# Altium PCB nRF52840-kit.PcbDoc (part 3 of 5) (continued)
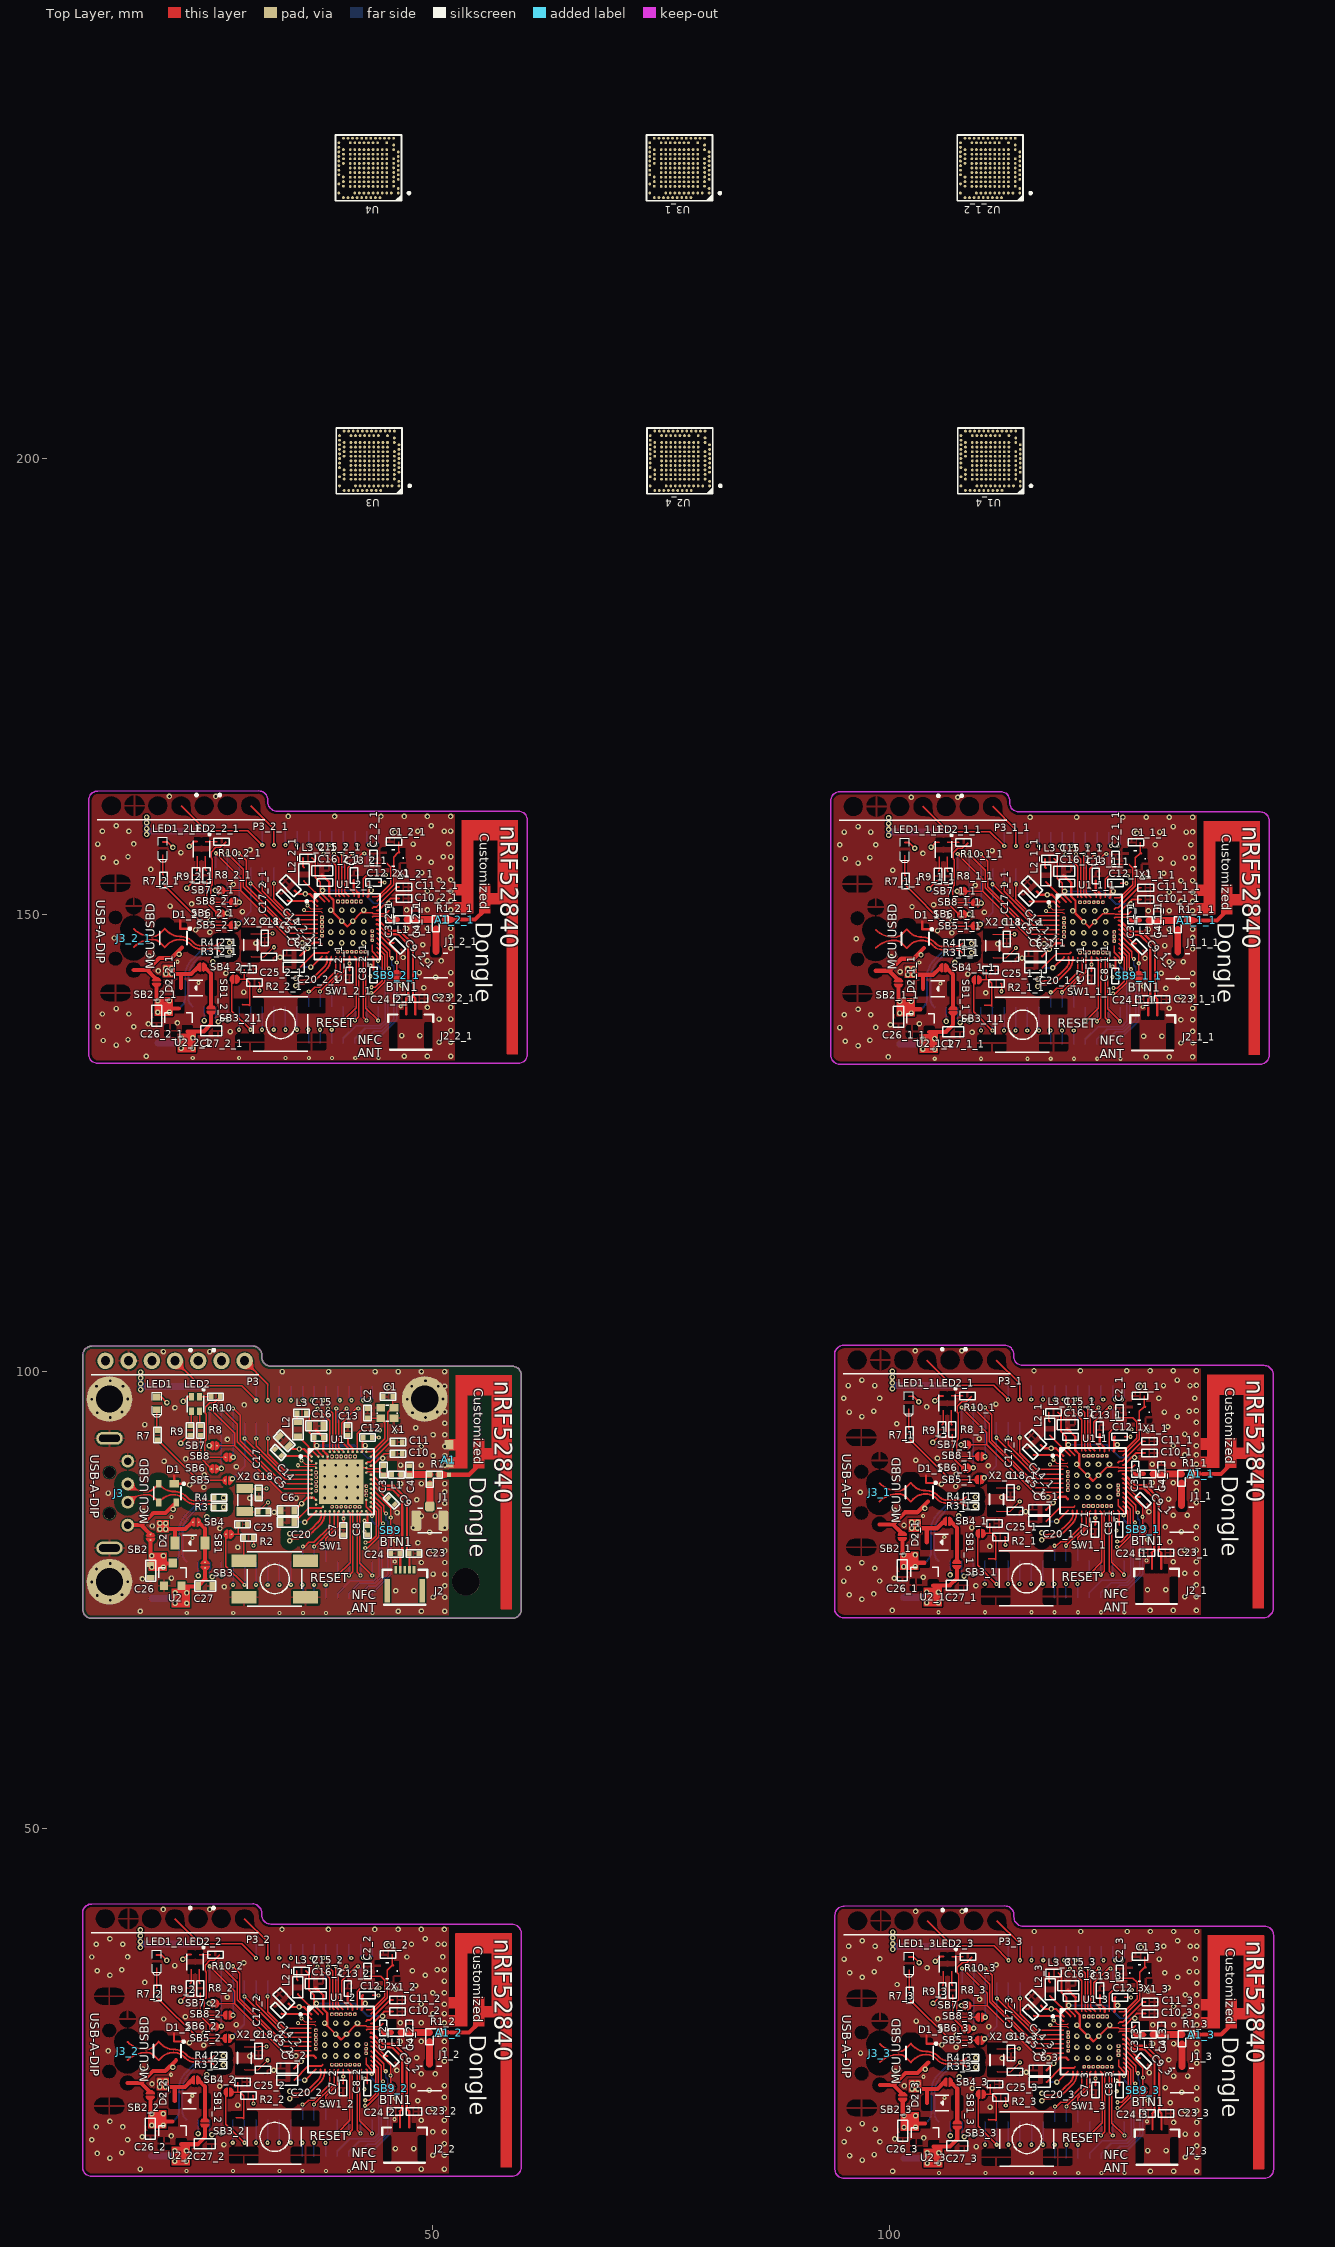
[diagram p0: Top Layer view]
## Nets (pads, with @x,y where several pads share a name; then routed paths per layer and width w, separated by ;. In a path a pad name is that pad's centre, name@x,y a point inside that pad or via, vN(x,y) a via of type N, cw(c..) or ccw(c..) an arc to the next point about the centre after c; other vN are vias at no path point) (continued)
  Top Layer w0.254: 21.668,27.563 21.668,26.702 22.585,26.702 ; 22.343,149.363 22.343,148.502 23.26,148.502 ; 34.217,30.853 34.576,30.494 35.872,30.494 36.69,29.676 ; 34.818,23.763 36.231,25.176 36.69,25.176 36.94,25.176 37.19,24.926 ; 34.892,152.653 35.251,152.294 36.547,152.294 37.365,151.476 ; 35.493,145.563 36.906,146.976 37.365,146.976 37.615,146.976 37.865,146.726 ; 37.134,32.627 37.997,31.764 37.98,31.747 37.98,30.297 38.44,29.836 38.44,29.676 38.44,28.426 39.94,26.926 ; 37.809,154.427 38.672,153.564 38.655,153.547 38.655,152.097 39.115,151.636 39.115,151.476 39.115,150.226 40.615,148.726 ; 40.672,32.026 40.672,31.078 41.19,30.56 41.19,30.176 ; 41.347,153.826 41.347,152.878 41.865,152.36 41.865,151.976 ; 42.19,30.176 42.273,30.259 42.273,31.706 42.331,31.764 ; 42.865,151.976 42.948,152.059 42.948,153.506 43.006,153.564 ; 43.19,27.176 43.287,27.176 44.375,26.088 45.518,26.088 46.633,24.973 46.633,19.326 46.371,19.064 46.4,19.035 46.4,17.3 ; 43.19,27.676 43.326,27.676 44.533,26.469 45.676,26.469 47.141,25.004 47.141,19.326 47.403,19.064 47.403,17.303 47.4,17.3 ; 43.865,148.976 43.962,148.976 45.05,147.888 46.193,147.888 47.308,146.773 47.308,141.126 47.046,140.864 47.075,140.835 47.075,139.1 ; 43.865,149.476 44.001,149.476 45.208,148.269 46.351,148.269 47.816,146.804 47.816,141.126 48.078,140.864 48.078,139.103 48.075,139.1 ; 103.54,149.277 103.54,148.416 104.457,148.416 ; 103.965,88.702 103.965,87.841 104.882,87.841 ; 104.003,27.338 104.003,26.477 104.92,26.477 ; 116.089,152.567 116.448,152.208 117.744,152.208 118.562,151.39 ; 116.514,91.992 116.873,91.633 118.169,91.633 118.987,90.815 ; 116.552,30.628 116.911,30.269 118.207,30.269 119.025,29.451 ; 116.69,145.477 118.103,146.89 118.562,146.89 118.812,146.89 119.062,146.64 ; 117.115,84.902 118.528,86.315 118.987,86.315 119.237,86.315 119.487,86.065 ; 117.153,23.538 118.566,24.951 119.025,24.951 119.275,24.951 119.525,24.701 ; 119.006,154.341 119.869,153.478 119.852,153.461 119.852,152.011 120.312,151.55 120.312,151.39 120.312,150.14 121.812,148.64 ; 119.431,93.766 120.294,92.903 120.277,92.886 120.277,91.436 120.737,90.975 120.737,90.815 120.737,89.565 122.237,88.065 ; 119.469,32.402 120.332,31.539 120.315,31.522 120.315,30.072 120.775,29.611 120.775,29.451 120.775,28.201 122.275,26.701 ; 122.544,153.74 122.544,152.792 123.062,152.274 123.062,151.89 ; 122.969,93.165 122.969,92.217 123.487,91.699 123.487,91.315 ; 123.007,31.801 123.007,30.853 123.525,30.335 123.525,29.951 ; 124.062,151.89 124.145,151.973 124.145,153.42 124.203,153.478 ; 124.487,91.315 124.57,91.398 124.57,92.845 124.628,92.903 ; 124.525,29.951 124.608,30.034 124.608,31.481 124.666,31.539 ; 125.062,148.89 125.159,148.89 126.247,147.802 127.39,147.802 128.505,146.687 128.505,141.04 128.243,140.778 128.272,140.749 128.272,139.014 ; 125.062,149.39 125.198,149.39 126.405,148.183 127.548,148.183 129.013,146.718 129.013,141.04 129.275,140.778 129.275,139.017 129.272,139.014 ; 125.487,88.315 125.584,88.315 126.672,87.227 127.815,87.227 128.93,86.112 128.93,80.465 128.668,80.203 128.697,80.174 128.697,78.439 ; 125.487,88.815 125.623,88.815 126.83,87.608 127.973,87.608 129.438,86.143 129.438,80.465 129.7,80.203 129.7,78.442 129.697,78.439 ; 125.525,26.951 125.622,26.951 126.71,25.863 127.853,25.863 128.968,24.748 128.968,19.101 128.706,18.839 128.735,18.81 128.735,17.075 ; 125.525,27.451 125.661,27.451 126.868,26.244 128.011,26.244 129.476,24.779 129.476,19.101 129.738,18.839 129.738,17.078 129.735,17.075
  Top Layer w0.457: 16.579,22.168 18.06,22.168 ; 17.254,143.968 18.735,143.968 ; 19.074,20.53 19.074,17.909 19.124,17.959 21.5,17.959 ; 19.074,21.154 18.925,21.303 18.06,22.168 ; 19.749,142.33 19.749,139.709 19.799,139.759 22.175,139.759 ; 19.749,142.954 19.6,143.103 18.735,143.968 ; v1@20.738,21.604 v1(20.738,21.736) 21.743,21.736 ; v1@21.413,143.404 v1(21.413,143.536) 22.418,143.536 ; 21.741,20.209 21.743,20.207 21.743,21.736 ; 21.868,24.652 20.701,23.485 19.377,23.485 18.06,22.168 ; 22.416,142.009 22.418,142.007 22.418,143.536 ; 22.45,15.459 24.252,15.459 24.301,15.508 25.051,16.258 25.043,16.266 25.043,17.482 ; 22.543,146.452 21.376,145.285 20.052,145.285 18.735,143.968 ; 23.125,137.259 24.927,137.259 24.976,137.308 25.726,138.058 25.718,138.066 25.718,139.282 ; 23.715,22.493 23.621,22.493 23.546,22.418 22.865,21.736 21.743,21.736 ; 24.339,22.493 24.488,22.344 25.043,21.789 25.043,20.207 25.043,18.281 25.043,18.2 ; 24.39,144.293 24.296,144.293 24.221,144.218 23.54,143.536 22.418,143.536 ; 25.014,144.293 25.163,144.144 25.718,143.589 25.718,142.007 25.718,140.081 25.718,140 ; 98.451,143.882 99.932,143.882 ; 98.876,83.307 100.357,83.307 ; 98.914,21.943 100.395,21.943 ; 100.946,142.244 100.946,139.623 100.996,139.673 103.372,139.673 ; 100.946,142.868 100.797,143.017 99.932,143.882 ; 101.371,81.669 101.371,79.048 101.421,79.098 103.797,79.098 ; 101.371,82.293 101.222,82.442 100.357,83.307 ; 101.409,20.305 101.409,17.684 101.459,17.734 103.835,17.734 ; 101.409,20.929 101.26,21.078 100.395,21.943 ; v1@102.61,143.318 v1(102.61,143.45) 103.615,143.45 ; v1@103.035,82.743 v1(103.035,82.875) 104.04,82.875 ; v1@103.073,21.379 v1(103.073,21.511) 104.078,21.511 ; 103.613,141.923 103.615,141.921 103.615,143.45 ; 103.74,146.366 102.573,145.199 101.249,145.199 99.932,143.882 ; 104.038,81.348 104.04,81.346 104.04,82.875 ; 104.076,19.984 104.078,19.982 104.078,21.511 ; 104.165,85.791 102.998,84.624 101.674,84.624 100.357,83.307 ; 104.203,24.427 103.036,23.26 101.712,23.26 100.395,21.943 ; 104.322,137.173 106.124,137.173 106.173,137.222 106.923,137.972 106.915,137.98 106.915,139.196 ; 104.747,76.598 106.549,76.598 106.598,76.647 107.348,77.397 107.34,77.405 107.34,78.621 ; 104.785,15.234 106.587,15.234 106.636,15.283 107.386,16.033 107.378,16.041 107.378,17.257 ; 105.587,144.207 105.493,144.207 105.418,144.132 104.737,143.45 103.615,143.45 ; 106.012,83.632 105.918,83.632 105.843,83.557 105.162,82.875 104.04,82.875 ; 106.05,22.268 105.956,22.268 105.881,22.193 105.2,21.511 104.078,21.511 ; 106.211,144.207 106.36,144.058 106.915,143.503 106.915,141.921 106.915,139.995 106.915,139.914 ; 106.636,83.632 106.785,83.483 107.34,82.928 107.34,81.346 107.34,79.42 107.34,79.339 ; 106.674,22.268 106.823,22.119 107.378,21.564 107.378,19.982 107.378,18.056 107.378,17.975
  Top Layer w0.508: 44.556,27.696 45.471,27.696 45.479,27.688 ; 45.231,149.496 46.146,149.496 46.154,149.488 ; 126.428,149.41 127.343,149.41 127.351,149.402 ; 126.853,88.835 127.768,88.835 127.776,88.827 ; 126.891,27.471 127.806,27.471 127.814,27.463
  Top Layer w0.762: 46.479,27.688 47.401,27.688 49.636,27.688 ; 47.154,149.488 48.076,149.488 50.311,149.488 ; 49.636,24.221 49.636,26.688 ; 50.311,146.021 50.311,148.488 ; 50.636,27.688 51.061,27.688 ; 51.311,149.488 51.736,149.488 ; 128.351,149.402 129.273,149.402 131.508,149.402 ; 128.776,88.827 129.698,88.827 131.933,88.827 ; 128.814,27.463 129.736,27.463 131.971,27.463 ; 131.508,145.935 131.508,148.402 ; 131.933,85.36 131.933,87.827 ; 131.971,23.996 131.971,26.463 ; 132.508,149.402 132.933,149.402 ; 132.933,88.827 133.358,88.827 ; 132.971,27.463 133.396,27.463
  Mid-Layer 1 w0.152: 24.294,40.151 24.294,18.032 v1(25.818,16.508) ; 24.969,161.951 24.969,139.832 v1(26.493,138.308) ; v2(26.821,16.651) 28.712,16.651 29.855,17.794 37.514,17.794 38.94,19.22 v3(38.94,24.176) ; v2(27.496,138.451) 29.387,138.451 30.53,139.594 38.189,139.594 39.615,141.02 v3(39.615,145.976) ; v2(28.091,15.635) 29.971,17.515 37.647,17.515 39.44,19.308 v3(39.44,24.176) ; v2(28.766,137.435) 30.646,139.315 38.322,139.315 40.115,141.108 v3(40.115,145.976) ; v2(29.361,15.635) 30.961,17.235 37.763,17.235 39.94,19.413 39.94,22.163 39.72,22.383 39.72,23.238 39.94,23.458 v3(39.94,24.176) ; v2(30.036,137.435) 31.636,139.035 38.438,139.035 40.615,141.213 40.615,143.963 40.395,144.183 40.395,145.038 40.615,145.258 v3(40.615,145.976) ; v2(30.631,15.635) 31.952,16.956 37.878,16.956 40.44,19.518 40.44,22.137 40.661,22.358 40.661,23.258 40.44,23.479 v3(40.44,24.176) ; v2(30.644,35.833) 31.406,35.071 31.406,29.356 34.836,25.926 v3(37.19,25.926) ; v2(31.306,137.435) 32.627,138.756 38.553,138.756 41.115,141.318 41.115,143.937 41.336,144.158 41.336,145.058 41.115,145.279 v3(41.115,145.976) ; v2(31.319,157.633) 32.081,156.871 32.081,151.156 35.511,147.726 v3(37.865,147.726) ; v2(31.901,15.635) 32.942,16.676 37.994,16.676 40.94,19.623 v3(40.94,24.176) ; v2(31.914,35.833) 32.676,35.071 32.676,28.594 34.844,26.426 v3(37.19,26.426) ; v2(32.576,137.435) 33.617,138.476 38.669,138.476 41.615,141.423 v3(41.615,145.976) ; v2(32.589,157.633) 33.351,156.871 33.351,150.394 35.519,148.226 v3(37.865,148.226) ; v2(33.171,15.635) 33.908,16.372 38.084,16.372 41.44,19.727 v3(41.44,24.176) ; v2(33.184,35.833) 33.184,28.594 34.852,26.926 v3(37.19,26.926) ; v2(33.846,137.435) 34.583,138.172 38.759,138.172 42.115,141.527 v3(42.115,145.976) ; v2(33.859,157.633) 33.859,150.394 35.527,148.726 v3(37.865,148.726) ; v2(34.441,15.635) 34.898,16.092 38.2,16.092 41.94,19.832 v3(41.94,24.176) ; v2(34.454,35.833) 34.454,28.721 35.749,27.426 v3(37.19,27.426) ; v2(35.116,137.435) 35.573,137.892 38.875,137.892 42.615,141.632 v3(42.615,145.976) ; v2(35.129,157.633) 35.129,150.521 36.424,149.226 v3(37.865,149.226) ; v2(35.724,35.833) 35.724,31.261 37.19,29.795 v3(37.19,27.926) ; v2(36.399,157.633) 36.399,153.061 37.865,151.595 v3(37.865,149.726) ; v2(36.74,35.833) 36.74,32.785 38.94,30.585 v3(38.94,29.676) ; v2(37.415,157.633) 37.415,154.585 39.615,152.385 v3(39.615,151.476) ; v2(38.01,35.833) 38.01,32.277 39.44,30.847 v3(39.44,29.676) ; v2(38.685,157.633) 38.685,154.077 40.115,152.647 v3(40.115,151.476) ; v2(39.788,35.833) 39.915,35.706 39.915,29.701 v3(39.94,29.676) ; v3(40.44,29.676) 40.44,32.168 41.058,32.785 v2(41.058,35.833) ; v2(40.463,157.633) 40.59,157.506 40.59,151.501 v3(40.615,151.476) ; v3(40.94,29.676) 40.94,32.236 42.328,33.624 v2(42.328,35.833) ; v3(41.115,151.476) 41.115,153.968 41.733,154.585 v2(41.733,157.633) ; v3(41.44,29.676) 41.44,32.265 43.09,33.914 v2(43.09,35.833) ; v3(41.615,151.476) 41.615,154.036 43.003,155.424 v2(43.003,157.633) ; v3(42.115,151.476) 42.115,154.065 43.765,155.714 v2(43.765,157.633) ; 106.166,161.865 106.166,139.746 v1(107.69,138.222) ; 106.591,101.29 106.591,79.171 v1(108.115,77.647) ; 106.629,39.926 106.629,17.807 v1(108.153,16.283) ; v2(108.693,138.365) 110.584,138.365 111.727,139.508 119.386,139.508 120.812,140.934 v3(120.812,145.89) ; v2(109.118,77.79) 111.009,77.79 112.152,78.933 119.811,78.933 121.237,80.359 v3(121.237,85.315) ; v2(109.156,16.426) 111.047,16.426 112.19,17.569 119.849,17.569 121.275,18.995 v3(121.275,23.951) ; v2(109.963,137.349) 111.843,139.229 119.519,139.229 121.312,141.022 v3(121.312,145.89) ; v2(110.388,76.774) 112.268,78.654 119.944,78.654 121.737,80.447 v3(121.737,85.315) ; v2(110.426,15.41) 112.306,17.29 119.982,17.29 121.775,19.083 v3(121.775,23.951) ; v2(111.233,137.349) 112.833,138.949 119.635,138.949 121.812,141.127 121.812,143.877 121.592,144.097 121.592,144.952 121.812,145.172 v3(121.812,145.89) ; v2(111.658,76.774) 113.258,78.374 120.06,78.374 122.237,80.552 122.237,83.302 122.017,83.522 122.017,84.377 122.237,84.597 v3(122.237,85.315) ; v2(111.696,15.41) 113.296,17.01 120.098,17.01 122.275,19.188 122.275,21.938 122.055,22.158 122.055,23.013 122.275,23.233 v3(122.275,23.951) ; v2(112.503,137.349) 113.824,138.67 119.75,138.67 122.312,141.232 122.312,143.851 122.533,144.072 122.533,144.972 122.312,145.193 v3(122.312,145.89) ; v2(112.516,157.547) 113.278,156.785 113.278,151.07 116.708,147.64 v3(119.062,147.64) ; v2(112.928,76.774) 114.249,78.095 120.175,78.095 122.737,80.657 122.737,83.276 122.958,83.497 122.958,84.397 122.737,84.618 v3(122.737,85.315) ; v2(112.941,96.972) 113.703,96.21 113.703,90.495 117.133,87.065 v3(119.487,87.065) ; v2(112.966,15.41) 114.287,16.731 120.213,16.731 122.775,19.293 122.775,21.912 122.996,22.133 122.996,23.033 122.775,23.254 v3(122.775,23.951) ; v2(112.979,35.608) 113.741,34.846 113.741,29.131 117.171,25.701 v3(119.525,25.701) ; v2(113.773,137.349) 114.814,138.39 119.866,138.39 122.812,141.337 v3(122.812,145.89) ; v2(113.786,157.547) 114.548,156.785 114.548,150.308 116.716,148.14 v3(119.062,148.14) ; v2(114.198,76.774) 115.239,77.815 120.291,77.815 123.237,80.762 v3(123.237,85.315) ; v2(114.211,96.972) 114.973,96.21 114.973,89.733 117.141,87.565 v3(119.487,87.565) ; v2(114.236,15.41) 115.277,16.451 120.329,16.451 123.275,19.398 v3(123.275,23.951) ; v2(114.249,35.608) 115.011,34.846 115.011,28.369 117.179,26.201 v3(119.525,26.201) ; v2(115.043,137.349) 115.78,138.086 119.956,138.086 123.312,141.441 v3(123.312,145.89) ; v2(115.056,157.547) 115.056,150.308 116.724,148.64 v3(119.062,148.64) ; v2(115.468,76.774) 116.205,77.511 120.381,77.511 123.737,80.866 v3(123.737,85.315) ; v2(115.481,96.972) 115.481,89.733 117.149,88.065 v3(119.487,88.065) ; v2(115.506,15.41) 116.243,16.147 120.419,16.147 123.775,19.502 v3(123.775,23.951) ; v2(115.519,35.608) 115.519,28.369 117.187,26.701 v3(119.525,26.701) ; v2(116.313,137.349) 116.77,137.806 120.072,137.806 123.812,141.546 v3(123.812,145.89) ; v2(116.326,157.547) 116.326,150.435 117.621,149.14 v3(119.062,149.14) ; v2(116.738,76.774) 117.195,77.231 120.497,77.231 124.237,80.971 v3(124.237,85.315) ; v2(116.751,96.972) 116.751,89.86 118.046,88.565 v3(119.487,88.565) ; v2(116.776,15.41) 117.233,15.867 120.535,15.867 124.275,19.607 v3(124.275,23.951) ; v2(116.789,35.608) 116.789,28.496 118.084,27.201 v3(119.525,27.201) ; v2(117.596,157.547) 117.596,152.975 119.062,151.509 v3(119.062,149.64) ; v2(118.021,96.972) 118.021,92.4 119.487,90.934 v3(119.487,89.065) ; v2(118.059,35.608) 118.059,31.036 119.525,29.57 v3(119.525,27.701) ; v2(118.612,157.547) 118.612,154.499 120.812,152.299 v3(120.812,151.39) ; v2(119.037,96.972) 119.037,93.924 121.237,91.724 v3(121.237,90.815) ; v2(119.075,35.608) 119.075,32.56 121.275,30.36 v3(121.275,29.451) ; v2(119.882,157.547) 119.882,153.991 121.312,152.561 v3(121.312,151.39) ; v2(120.307,96.972) 120.307,93.416 121.737,91.986 v3(121.737,90.815) ; v2(120.345,35.608) 120.345,32.052 121.775,30.622 v3(121.775,29.451) ; v2(121.66,157.547) 121.787,157.42 121.787,151.415 v3(121.812,151.39) ; v2(122.085,96.972) 122.212,96.845 122.212,90.84 v3(122.237,90.815) ; v2(122.123,35.608) 122.25,35.481 122.25,29.476 v3(122.275,29.451) ; v3(122.312,151.39) 122.312,153.882 122.93,154.499 v2(122.93,157.547) ; v3(122.737,90.815) 122.737,93.307 123.355,93.924 v2(123.355,96.972) ; v3(122.775,29.451) 122.775,31.943 123.393,32.56 v2(123.393,35.608) ; v3(122.812,151.39) 122.812,153.95 124.2,155.338 v2(124.2,157.547) ; v3(123.237,90.815) 123.237,93.375 124.625,94.763 v2(124.625,96.972) ; v3(123.275,29.451) 123.275,32.011 124.663,33.399 v2(124.663,35.608) ; v3(123.312,151.39) 123.312,153.979 124.962,155.628 v2(124.962,157.547) ; v3(123.737,90.815) 123.737,93.404 125.387,95.053 v2(125.387,96.972) ; v3(123.775,29.451) 123.775,32.04 125.425,33.689 v2(125.425,35.608)
  Mid-Layer 1 w0.203: v1(25.247,23.09) 25.844,22.493 v1(35.948,22.493) ; v1(25.922,144.89) 26.519,144.293 v1(36.623,144.293) ; v1(107.119,144.804) 107.716,144.207 v1(117.82,144.207) ; v1(107.544,84.229) 108.141,83.632 v1(118.245,83.632) ; v1(107.582,22.865) 108.179,22.268 v1(118.283,22.268)
  Mid-Layer 2 w0.127: v2(31.779,26.173) 34.835,29.229 v2(35.597,29.229) ; v2(31.914,24.657) 31.914,25.419 v2(35.216,28.721) ; v2(32.454,147.973) 35.51,151.029 v2(36.272,151.029) ; v2(32.589,146.457) 32.589,147.219 v2(35.891,150.521) ; v2(113.651,147.887) 116.707,150.943 v2(117.469,150.943) ; v2(113.786,146.371) 113.786,147.133 v2(117.088,150.435) ; v2(114.076,87.312) 117.132,90.368 v2(117.894,90.368) ; v2(114.114,25.948) 117.17,29.004 v2(117.932,29.004) ; v2(114.211,85.796) 114.211,86.558 v2(117.513,89.86) ; v2(114.249,24.432) 114.249,25.194 v2(117.551,28.496)
  Mid-Layer 2 w0.152: v1(25.818,16.508) 26.58,17.27 35.63,17.27 37.413,19.053 41.113,19.053 42.344,20.283 v2(42.594,20.283) ; v1(26.493,138.308) 27.255,139.07 36.305,139.07 38.088,140.853 41.788,140.853 43.019,142.083 v2(43.269,142.083) ; 26.834,40.151 26.834,38.595 26.072,37.833 26.072,18.413 v1(24.294,16.635) 25.056,15.873 26.834,15.873 27.952,16.99 35.746,16.99 37.529,18.773 41.229,18.773 42.129,19.674 v2(42.569,19.674) ; 27.509,161.951 27.509,160.395 26.747,159.633 26.747,140.213 v1(24.969,138.435) 25.731,137.673 27.509,137.673 28.627,138.79 36.421,138.79 38.204,140.573 41.904,140.573 42.804,141.474 v2(43.244,141.474) ; v2(35.711,15.635) 38.175,18.099 41.883,18.099 43.153,19.369 43.153,22.62 42.691,23.083 v3(42.691,25.426) ; v2(36.386,137.435) 38.85,139.899 42.558,139.899 43.828,141.169 43.828,144.42 43.366,144.883 v3(43.366,147.226) ; v2(36.981,15.635) 39.165,17.819 41.999,17.819 43.737,19.558 43.737,25.098 42.909,25.926 v3(42.69,25.926) ; v2(37.656,137.435) 39.84,139.619 42.674,139.619 44.412,141.358 44.412,146.898 43.584,147.726 v3(43.365,147.726) ; v2(38.251,15.635) 38.251,16.219 39.572,17.54 42.115,17.54 44.017,19.442 44.017,25.361 42.951,26.426 v3(42.69,26.426) ; v2(38.926,137.435) 38.926,138.019 40.247,139.34 42.79,139.34 44.692,141.242 44.692,147.161 43.626,148.226 v3(43.365,148.226) ; v1(107.69,138.222) 108.452,138.984 117.502,138.984 119.285,140.767 122.985,140.767 124.216,141.997 v2(124.466,141.997) ; v1(108.115,77.647) 108.877,78.409 117.927,78.409 119.71,80.192 123.41,80.192 124.641,81.422 v2(124.891,81.422) ; v1(108.153,16.283) 108.915,17.045 117.965,17.045 119.748,18.828 123.448,18.828 124.679,20.058 v2(124.929,20.058) ; 108.706,161.865 108.706,160.309 107.944,159.547 107.944,140.127 v1(106.166,138.349) 106.928,137.587 108.706,137.587 109.824,138.704 117.618,138.704 119.401,140.487 123.101,140.487 124.001,141.388 v2(124.441,141.388) ; 109.131,101.29 109.131,99.734 108.369,98.972 108.369,79.552 v1(106.591,77.774) 107.353,77.012 109.131,77.012 110.249,78.129 118.043,78.129 119.826,79.912 123.526,79.912 124.426,80.813 v2(124.866,80.813) ; 109.169,39.926 109.169,38.37 108.407,37.608 108.407,18.188 v1(106.629,16.41) 107.391,15.648 109.169,15.648 110.287,16.765 118.081,16.765 119.864,18.548 123.564,18.548 124.464,19.449 v2(124.904,19.449) ; v2(117.583,137.349) 120.047,139.813 123.755,139.813 125.025,141.083 125.025,144.334 124.563,144.797 v3(124.563,147.14) ; v2(118.008,76.774) 120.472,79.238 124.18,79.238 125.45,80.508 125.45,83.759 124.988,84.222 v3(124.988,86.565) ; v2(118.046,15.41) 120.51,17.874 124.218,17.874 125.488,19.144 125.488,22.395 125.026,22.858 v3(125.026,25.201) ; v2(118.853,137.349) 121.037,139.533 123.871,139.533 125.609,141.272 125.609,146.812 124.781,147.64 v3(124.562,147.64) ; v2(119.278,76.774) 121.462,78.958 124.296,78.958 126.034,80.697 126.034,86.237 125.206,87.065 v3(124.987,87.065) ; v2(119.316,15.41) 121.5,17.594 124.334,17.594 126.072,19.333 126.072,24.873 125.244,25.701 v3(125.025,25.701) ; v2(120.123,137.349) 120.123,137.933 121.444,139.254 123.987,139.254 125.889,141.156 125.889,147.075 124.823,148.14 v3(124.562,148.14) ; v2(120.548,76.774) 120.548,77.358 121.869,78.679 124.412,78.679 126.314,80.581 126.314,86.5 125.248,87.565 v3(124.987,87.565) ; v2(120.586,15.41) 120.586,15.994 121.907,17.315 124.45,17.315 126.352,19.217 126.352,25.136 125.286,26.201 v3(125.025,26.201)